# Altium PCB PCB_Incense.PcbDoc (part 3 of 3)
Units mil, origin at the board's own origin, x right, y up, seen from the top; angles counter-clockwise.
Board outline 5905.51 x 4960.63 mil, 2 copper layers (Top Layer, Bottom Layer), stack 61.89 mil thick; 318 components, 225 nets, 1085 pads, 499 vias.
Unrouted connection lines stored in the file: 2.
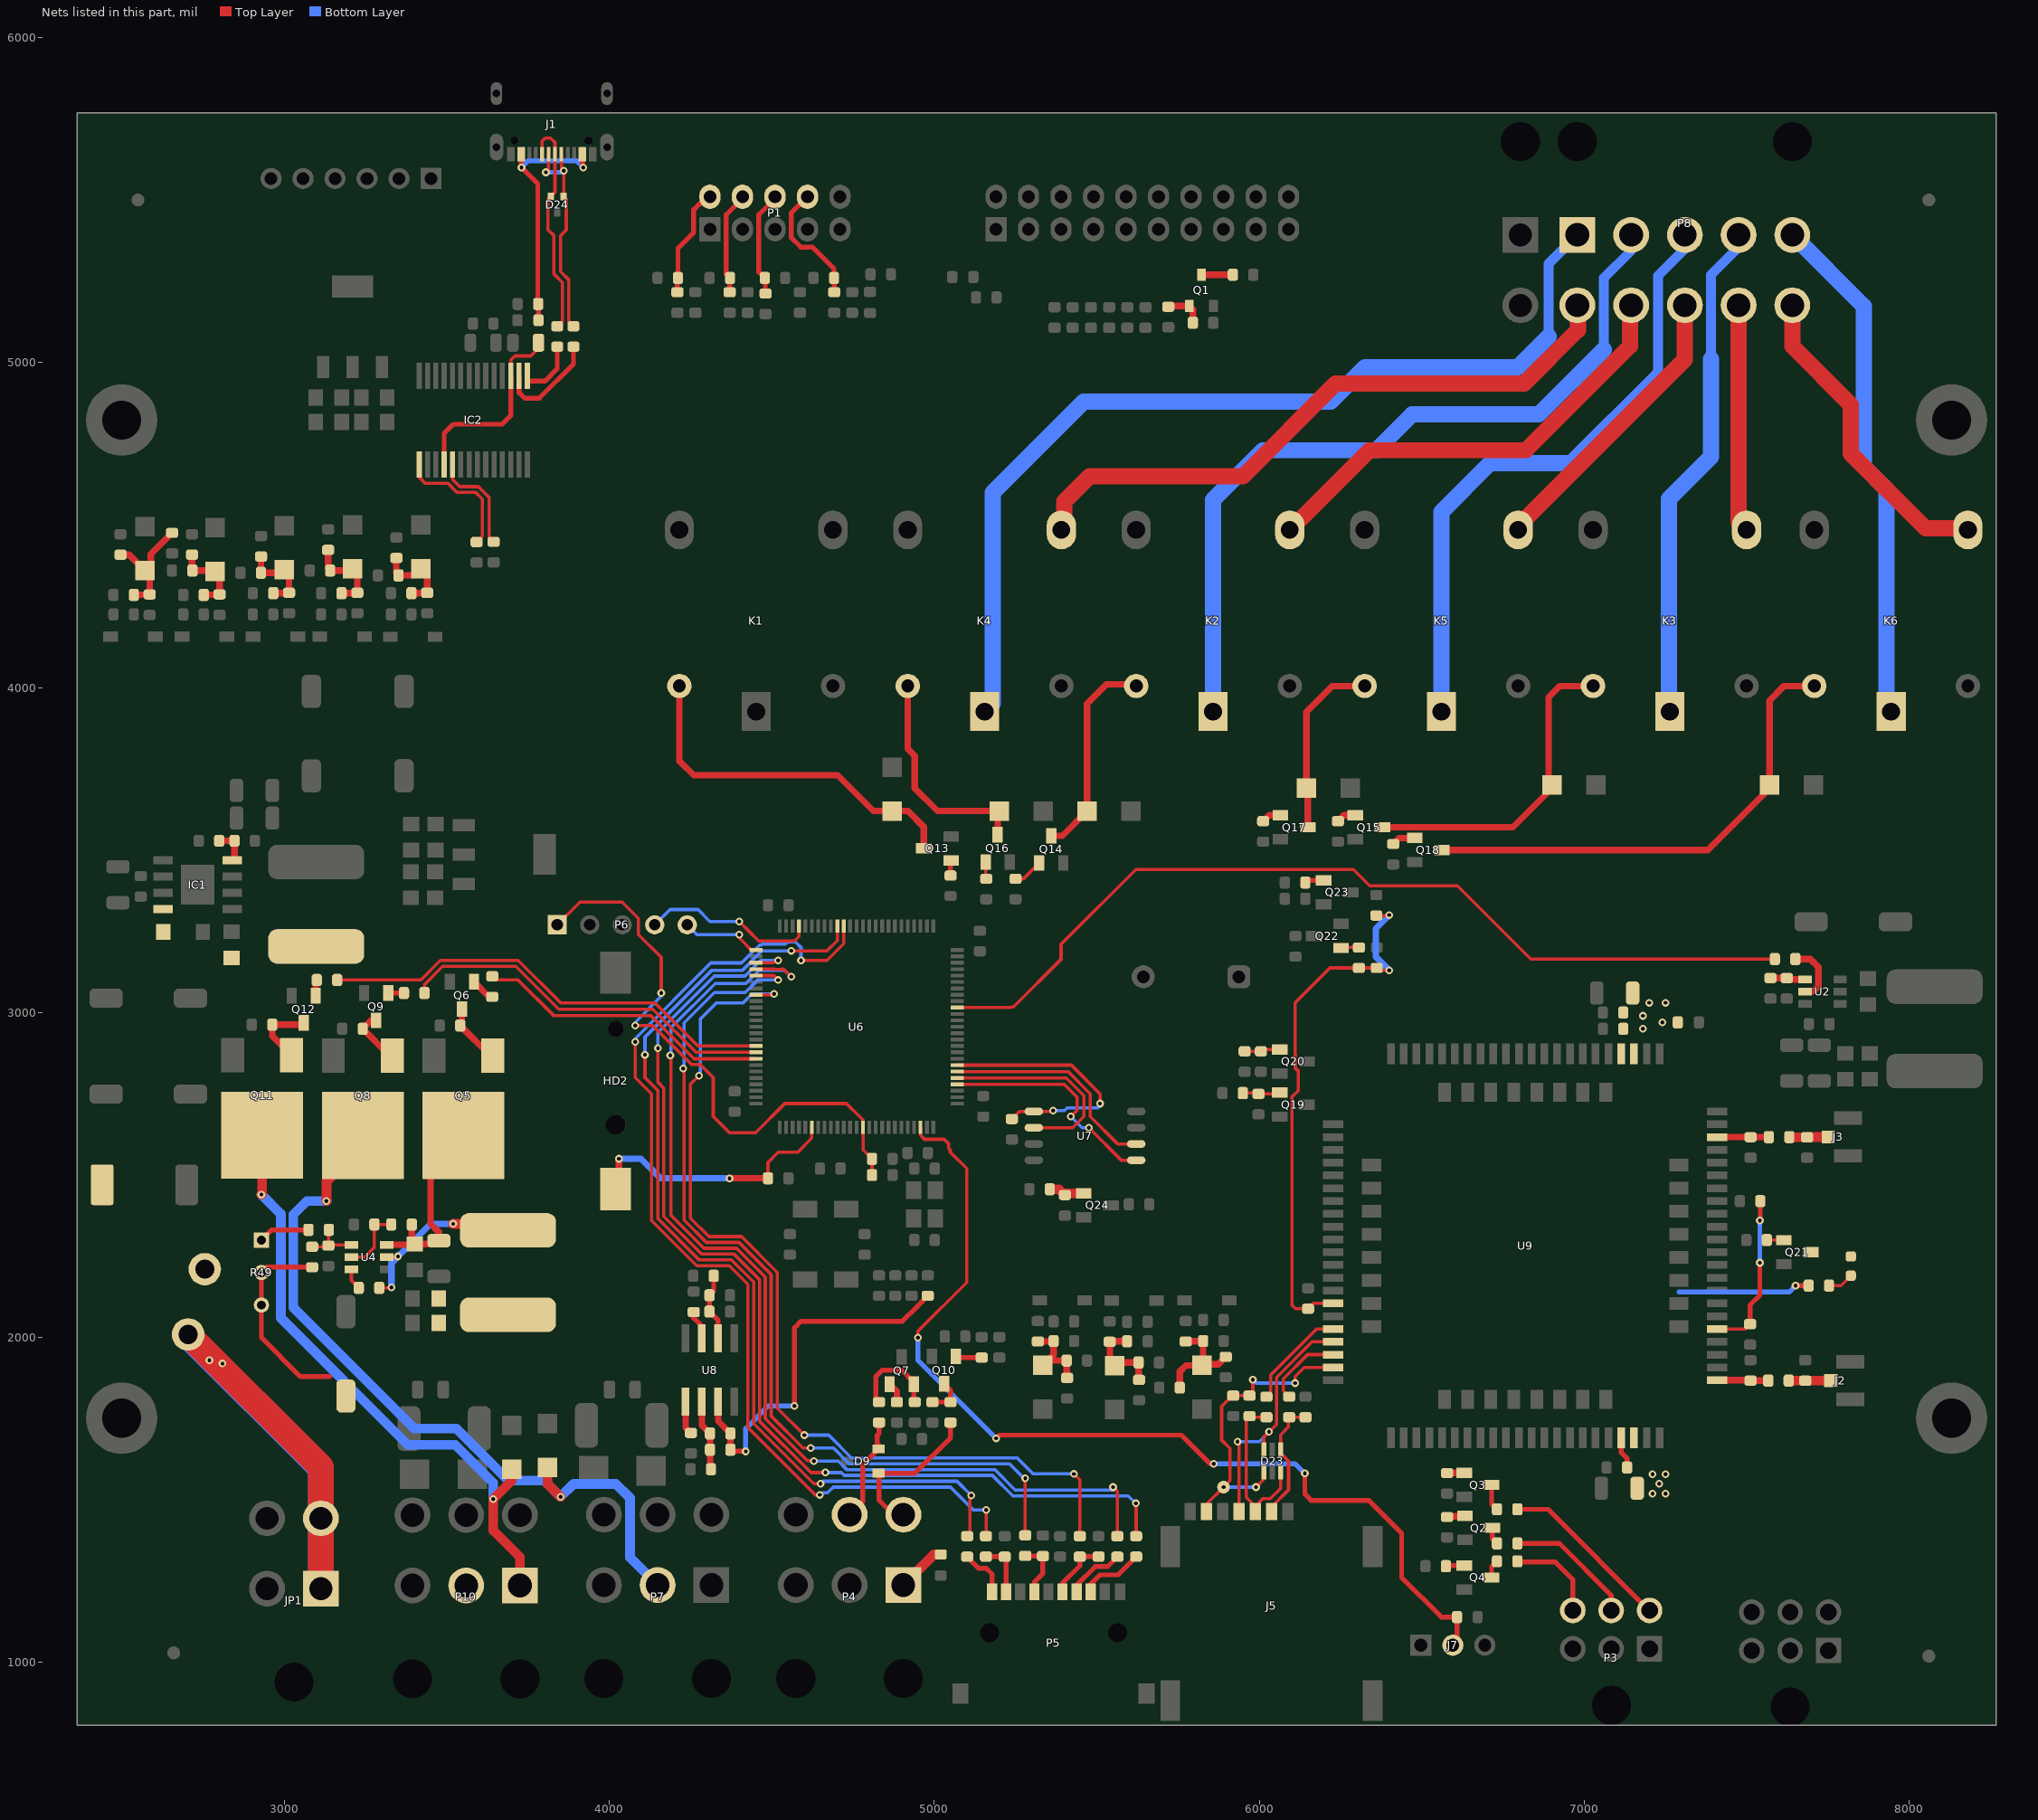
[diagram p3: the nets of this part, all layers, seen from the top]

## Via types
v1: diameter 24, hole 12, Top Layer to Bottom Layer, tented both sides, 495 vias
v2: diameter 24, hole 12, Top Layer to Bottom Layer, 4 vias

## Nets (pads, with @x,y where several pads share a name; then routed paths per layer and width w, separated by ;. In a path a pad name is that pad's centre, name@x,y a point inside that pad or via, vN(x,y) a via of type N, cw(c..) or ccw(c..) an arc to the next point about the centre after c; other vN are vias at no path point) (continued)
NetC34_2: C34.2 C76.2 Q5.2 R46.2 U4.3 | length 606
  Top Layer w20: U4.3@3315.12,2285.39 3398.39,2285.39 C34.2@3400.99,2287.99 ; R46.2@3392.48,2347.91 3392.48,2296.5 C34.2@3400.99,2287.99 ; Q5.2@3551.73,2621.65 3450,2519.92 3450,2350 3475.99,2324.01 C76.2@3475.99,2298.11 3465.87,2287.99 C34.2@3400.99,2287.99
NetC38_1: C38.1 U4.6 | length 67
  Top Layer w10: U4.6@3206.85,2210.59 3206.85,2175.62 C38.1@3229.49,2152.99
NetC38_2: C38.2 L4.1 U4.2 | length 565.4
  Top Layer w10: C38.2@3292.48,2152.99 3328.34,2152.99 v1(3329.92,2154.57) ; U4.2@3315.12,2247.99 3348.34,2247.99 v1(3349.92,2249.57)
  Top Layer w30: v1(3520,2350) 3668.5,2350 L4.1@3688.58,2329.92
  Bottom Layer w20: v1(3329.92,2154.57) 3329.92,2229.57 v1(3349.92,2249.57) 3450.35,2350 v1(3520,2350)
NetC52_1: C52.1 D23.4 J5.C3 R98.2 | length 383.9
  Top Layer w10: J5.C3@6037.64,1465.08 6037.64,1479.13 6090,1531.49 6090,1620 6065.59,1644.41 6065.59,1700.98 6088.84,1724.23 6088.84,1753.8 6090,1754.97 C52.1@6142.09,1754.97
NetC55_1: C55.1 J2.1 R99.2 | length 129.4
  Top Layer w30: R99.2@7628.78,1867.64 7679.92,1867.64 C55.1@7680.14,1867.42 7757.77,1867.42 J2.1@7757.99,1867.64
NetC58_1: C58.1 J3.1 R103.2 | length 120.5
  Top Layer w30: R103.2@7630.67,2616.78 7631.04,2616.41 C58.1@7685.07,2616.41 7685.73,2617.08 J3.1@7750.79,2617.08
NetC81_2: C81.2 R119.1 R120.1 U8.2 | length 208.9
  Top Layer w15: R120.1@4321.5,2190 4321.5,2143 R119.1@4308.5,2130 C81.2@4308.51,2080 4335,2053.51 U8.2@4335,1997.44
NetC83_1: C83.1 R124.2 R125.2 U8.7 | length 1152.4
  Top Layer w15: C83.1@4372.99,1655 4377.99,1650 v1(4420,1650) ; v1(4570,1790) 4570,2030 4590,2050 4901.49,2050 4949.75,2098.25 4950.09,2098.25 4963.2,2111.36 4963.2,2111.71 R125.2@4980,2128.51
  Top Layer w20: U8.7@4335,1802.56 4335,1742.99 R124.2@4372.99,1705 C83.1@4372.99,1655
  Bottom Layer w15: v1(4420,1650) 4420,1720 4490,1790 v1(4570,1790)
NetC83_2: C83.2 R123.1 R124.1 U8.6 | length 219.2
  Top Layer w20: U8.6@4285,1802.56 4285,1730 R124.1@4310,1705 C83.2@4310,1655 4310,1597.99 R123.1@4312.99,1595
NetD1_1: D1.1 F1.2
NetD3_1: D3.1 R6.2 R8.2 R10.1 R11.2 | length 335.2
  Top Layer w20: R6.2@5755.21,1846.09 5755.21,1895.21 5774.37,1914.37 D3.1@5823.74,1914.37 D3.1@5827.24,1917.87 ; R8.2@5773.74,1987.88 5774.49,1988.62 5826.5,1988.62 R10.1@5827.24,1989.37 D3.1@5827.24,1917.87 ; R11.2@5896.82,1940.81 5873.89,1917.87 D3.1@5827.24,1917.87
NetD6_1: D6.1 R18.2 R20.2 R22.1 R23.2 | length 265.6
  Top Layer w20: R22.1@5593.5,1988.51 5541.49,1988.51 R20.2@5540,1987.01 5540,1928.51 D6.1@5555,1913.51 5565,1923.51 R18.2@5628.51,1923.51 5628.51,1871.49 R23.2@5630,1870
NetD7_1: D7.1 R27.2 R28.2 R30.1 R31.2 | length 250.6
  Top Layer w20: R28.2@5318.74,1987.88 5365.75,1987.88 R30.1@5367.24,1989.37 5367.24,1947.87 D7.1@5348.74,1929.37 ; D7.1@5333.74,1914.37 D7.1@5348.74,1929.37 ; R31.2@5408.74,1875.86 5407.25,1877.36 R27.2@5407.25,1929.37 D7.1@5348.74,1929.37
NetD11_1: D11.1 R64.2 R66.2 R68.1 R70.2 | length 263.9
  Top Layer w20: R70.2@3345,4398.51 3345,4351.49 R64.2@3351.49,4345 3400,4345 D11.1@3420,4365 3440,4345 R66.2@3440,4291.49 3438.51,4290 R68.1@3391.5,4290
NetD12_1: D12.1 R65.2 R67.2 R69.1 R71.2 | length 245.5
  Top Layer w20: R71.2@2716.1,4408.51 2716.1,4361.49 R65.2@2717.6,4360 2784.39,4360 D12.1@2787.2,4357.2 2801.1,4343.29 R67.2@2801.1,4286.49 2799.61,4285 R69.1@2752.6,4285
NetD13_1: D13.1 K1.5 Q13.3 | length 1132.9
  Top Layer w20: K1.5@4215.79,4004.68 4215.79,3774.21 4260,3730 4702.53,3730 4812.53,3620 D13.1@4870,3620 4918.99,3620 4967.99,3571.01 Q13.3@4967.99,3505
NetD14_1: D14.1 K2.5 Q14.3 | length 649.8
  Top Layer w20: Q14.3@5360,3544.02 5394.02,3544.02 D14.1@5470,3620 5470,3950 5530,4010 5615.98,4010 K2.5@5621.3,4004.68
NetD15_1: D15.1 K3.5 Q15.3 | length 1006
  Top Layer w20: Q15.3@6379.02,3570 6780,3570 6900,3690 D15.1@6900,3700 6890,3710 6890,3970 6924.69,4004.68 K3.5@7026.81,4004.68
NetD16_1: D16.1 R72.2 R74.2 R79.1 R81.2 | length 261.5
  Top Layer w20: R81.2@3135,4423.51 3135,4366.49 R72.2@3141.49,4360 3215,4360 3225,4350 R74.2@3225,4291.49 3223.51,4290 R79.1@3176.5,4290
NetD17_1: D17.1 R73.2 R75.2 R80.1 R82.2 | length 374.5
  Top Layer w20: R82.2@2496.1,4408.51 2522.6,4408.51 D17.1@2571.1,4360 ; R80.1@2537.6,4285 2584.61,4285 R75.2@2586.1,4286.49 2586.1,4345 D17.1@2571.1,4360 ; R73.2@2654.88,4475.9 2589.49,4410.51 2589.49,4378.39 D17.1@2571.1,4360
NetD18_1: D18.1 R83.2 R84.2 R85.1 R86.2 | length 251.8
  Top Layer w20: R86.2@2928.79,4402.91 2928.79,4353.53 R83.2@2928.3,4353.04 2990.33,4353.04 D18.1@2999.72,4362.43 3015,4347.16 R84.2@3015,4291.49 3013.51,4290 R85.1@2966.5,4290
NetD19_1: D19.1 K4.5 Q16.3 | length 687.6
  Top Layer w20: K4.5@4918.54,4004.68 4918.54,3811.46 4940,3790 4940,3690 5010,3620 D19.1@5200,3620 5195,3615 Q16.3@5195,3547.01
NetD20_1: D20.1 K5.5 Q17.3 | length 568.7
  Top Layer w20: Q17.3@6149.02,3570 6149.02,3685.98 D20.1@6145,3690 6145,3925 6224.69,4004.68 K5.5@6324.06,4004.68
NetD21_1: D21.1 K6.5 Q18.3 | length 1512.8
  Top Layer w20: Q18.3@6562.01,3500 7380,3500 7570,3690 D21.1@7570,3700 7570,3960 7614.69,4004.68 K6.5@7707.56,4004.68
NetD22_1: D22.1 R95.1 | length 79.6
  Top Layer w10: R95.1@7752.99,2160 7789.53,2160 D22.1@7820,2190.47
NetD22_2: D22.2 Q21.3
NetD23_3: D23.3 J5.C7 R97.2 R100.2 | length 512.2
  Top Layer w10: J5.C7@5987.64,1465.08 J5.C7@5987.64,1480.83 ; R100.2@6022.08,1754.98 5973.53,1754.98 R97.2@5970,1758.51 5960,1748.51 5960,1508.47 J5.C7@5987.64,1480.83 ; D23.3@6065.59,1584.57 6065.59,1535.59 6034.03,1504.03 6010.83,1504.03 J5.C7@5987.64,1480.83
NetF1_1: F1.1 JP1.1 JP1.3 | length 1902.8
  Top Layer w80: F1.1@2704.41,2009.61 3112.68,1601.34 JP1.3@3112.68,1443.94 JP1.1@3112.68,1227.4
  Bottom Layer w80: F1.1@2704.41,2009.61 2704.19,2009.39 2704.19,2005.81 3112.68,1597.32 JP1.3@3112.68,1443.94 JP1.1@3112.68,1227.4
  other v1: 2810,1920 2770,1930
NetIC1_4: IC1.4 R1.1 R2.1 | length 109.8
  Top Layer w20: R2.1@2800.12,3528.31 R1.1@2847.12,3528.31 2847.12,3475.04 IC1.4@2840.39,3468.31
NetIC2_1: IC2.1 R17.2 | length 401.9
  Top Layer w10: IC2.1@3415.35,4686.69 3415.35,4646.92 3433.36,4628.91 3503.02,4628.91 3531.93,4600 3589.63,4600 3610,4579.63 3610,4465.43 R17.2@3592.05,4447.48
NetIC2_5: IC2.5 R24.2 | length 324.6
  Top Layer w10: IC2.5@3517.72,4686.69 3517.72,4640.13 3539.85,4618 3597.09,4618 3630,4585.09 3630,4462.36 R24.2@3644.32,4448.04
NetJ7_2: J7.2 R15.1 U6.23 | length 3076
  Top Layer w10: v1(4950,2000) 4950,2020 5100,2170 5100,2520 5049.24,2570.76 5049.24,2576.48 5044.22,2581.5 5044,2581.28 5044,2596 5030,2610 4970,2610 4957.68,2622.32 U6.23@4957.68,2646.61
  Top Layer w15: v1(5190,1690) 5200,1700 5760,1700 5848,1612 v1(5860,1612) ; v1(6140,1582) 6140,1518.5 6159.25,1499.25 6336.7,1499.25 6437.98,1397.98 6437.98,1262.02 6560,1140 R15.1@6608.5,1140 6608.5,1066.67 J7.2@6595.42,1053.58
  Bottom Layer w15: v1(4950,2000) 4950,1930 v1(5190,1690) ; v1(5860,1612) 6110,1612 v1(6140,1582)
NetL5_2: L5.2 P4.1 | length 154.1
  Top Layer w30: P4.1@4904.8,1238.5 4998.78,1332.48 L5.2@5020,1332.48
NetP3_4: P3.4 R39.1 | length 535.3
  Top Layer w15: R39.1@6794.25,1471.65 6888.35,1471.65 7199.44,1160.56 P3.4@7200.73,1160.56
NetP3_5: P3.5 R40.1 | length 401.2
  Top Layer w15: R40.1@6794.25,1366.65 6923.35,1366.65 7082.62,1207.38 P3.5@7082.62,1160.56
NetP3_6: P3.6 R41.1 | length 288.5
  Top Layer w15: R41.1@6794.25,1311.65 6795.91,1310 6910,1310 6964.51,1255.49 P3.6@6964.51,1160.56
NetQ1_1: Q1.1 R25.1 R26.1 | length 122
  Top Layer w20: R25.1@5720,5171.5 5722.48,5173.98 Q1.1@5784.65,5173.98 5795.55,5163.07 R26.1@5795.55,5122.2
NetQ1_3: Q1.3 R19.2 | length 96.6
  Top Layer w20: Q1.3@5822.05,5270.43 5822.48,5270 R19.2@5918.51,5270
NetQ2_1: Q2.1 R42.1 | length 57.5
  Top Layer w15: R42.1@6574.25,1451.65 R42.1@6577.75,1451.65
  Top Layer w20: R42.1@6577.75,1448.15 6579.5,1449.9 Q2.1@6631,1449.9
NetQ2_3: Q2.3 R40.2 | length 54
  Top Layer w15: Q2.3@6716.75,1414.65 6716.75,1381.16 R40.2@6731.26,1366.65
NetQ3_1: Q3.1 R43.1 | length 53.2
  Top Layer w20: R43.1@6577.75,1583.15 6578.26,1583.65 Q3.1@6630.76,1583.65
NetQ3_3: Q3.3 R39.2 | length 81.8
  Top Layer w15: Q3.3@6714.76,1546.65 6714.76,1488.15 R39.2@6731.26,1471.65
NetQ4_1: Q4.1 R44.1 | length 54.5
  Top Layer w15: R44.1@6576.25,1298.65 Q4.1@6630.76,1298.65
NetQ4_3: Q4.3 R41.2 | length 56.8
  Top Layer w15: Q4.3@6714.76,1261.65 6714.76,1295.16 R41.2@6731.26,1311.65
NetQ5_1: Q5.1 Q6.3 R45.2 | length 191.9
  Top Layer w20: Q6.3@3546.73,3010.71 3546.73,2965.24 R45.2@3541.49,2960 3633.78,2867.72 Q5.1@3642.28,2867.72
NetQ6_1: Q6.1 R50.1 | length 75.4
  Top Layer w20: Q6.1@3583.73,3094.71 3629.94,3048.5 R50.1@3640,3048.5
NetQ7_1: Q7.1 R52.2 | length 64.1
  Top Layer w20: Q7.1@4862.92,1856.65 4884.93,1834.65 R52.2@4884.93,1801.62
NetQ7_2: Q7.2 R54.2 R59.1 | length 286
  Top Layer w15: R59.1@4830,1801.5 4820,1811.5 4820,1880 4840,1900 4900.01,1900 4936.92,1863.09 Q7.2@4936.92,1856.65 4936.92,1804.57 R54.2@4940,1801.49
NetQ8_1: Q8.1 Q9.3 R57.2 | length 177.1
  Top Layer w20: Q9.3@3283,2976 3267.49,2976 R57.2@3241.49,2950 3323.78,2867.72 Q8.1@3332.28,2867.72
NetQ9_1: Q9.1 R61.1 | length 48.5
  Top Layer w15: Q9.1@3320,3060 R61.1@3368.5,3060
NetQ10_1: Q10.1 R56.2 | length 80.7
  Top Layer w15: Q10.1@5067,1941.99 5070.53,1938.45 R56.2@5146.22,1938.45
NetQ10_3: Q10.3 R58.2 R60.1 | length 120.3
  Top Layer w15: R58.2@4994.54,1801.62 5049.88,1801.62 R60.1@5050,1801.5 5050,1837.99 Q10.3@5030,1857.99
NetQ11_1: Q11.1 Q12.3 R62.2 | length 217.4
  Top Layer w20: Q11.1@3022.28,2868.78 2963.23,2927.84 R62.2@2963.23,2962.72 3054.73,2962.72 Q12.3@3060,2967.99
NetQ12_1: Q12.1 R63.1 | length 49.3
  Top Layer w20: Q12.1@3097,3051.99 3097,3097 R63.1@3100,3100
NetQ13_1: Q13.1 R76.1 | length 47.3
  Top Layer w15: R76.1@5050,3421.5 5050,3466.01 Q13.1@5051.99,3468
NetQ14_1: Q14.1 R77.1 | length 93.1
  Top Layer w10: R77.1@5250,3411.5 5274.48,3411.5 Q14.1@5323,3460.02
NetQ15_1: Q15.1 R78.1 | length 60.6
  Top Layer w20: R78.1@6242.01,3588.74 6260.27,3607 Q15.1@6295.02,3607
NetQ16_1: Q16.1 R87.1 | length 52.3
  Top Layer w10: Q16.1@5158,3463.01 5158,3413.5 R87.1@5160,3411.5
NetQ17_1: Q17.1 R88.1 | length 60.6
  Top Layer w20: R88.1@6012.01,3588.74 6030.27,3607 Q17.1@6065.02,3607
NetQ18_1: Q18.1 R89.1 | length 73.6
  Top Layer w20: R89.1@6412.01,3518.74 6430.27,3537 Q18.1@6478.01,3537
NetQ19_1: Q19.1 R91.1 R92.1 | length 117.8
  Top Layer w10: R91.1@5947.64,2749.77 R91.1@5949.56,2749.77 ; R91.1@5949.56,2752.19 5995.23,2752.19 R92.1@5997.64,2749.77 6058.73,2749.77 Q19.1@6062.76,2753.81
NetQ20_1: Q20.1 R93.1 R94.1 | length 110.3
  Top Layer w10: R93.1@5954.92,2880.87 R94.1@6004.92,2880.87 6010.42,2886.37 Q20.1@6062.93,2886.37
NetQ21_1: Q21.1 R96.1 | length 52
  Top Layer w10: R96.1@7561.5,2300 7613.2,2300 Q21.1@7613.4,2299.8
NetQ22_1: Q22.1 R101.2 | length 55.6
  Top Layer w10: Q22.1@6251.38,3198.74 6252.87,3200.23 R101.2@6306.38,3200.23
NetQ23_1: Q23.1 R104.2 | length 59.4
  Top Layer w15: R104.2@6141.49,3400 6148.49,3407 Q23.1@6198.01,3407
NetQ24_1: Q24.1 R116.1 R117.1 | length 114.2
  Top Layer w30: R116.1@5355.49,2456.42 5384.07,2456.42 R117.1@5401.99,2438.5 5407.49,2444 Q24.1@5460,2444
NetR3_1: R3.1 R4.1 U2.4 | length 107.6
  Top Layer w20: R3.1@7572.79,3106.1 R4.1@7622.79,3106.1 7626.89,3102.01 U2.4@7678.66,3102.01
NetR5_1: R5.1 U2.5 | length 188.6
  Top Layer w20: R5.1@7649.29,3164.61 7695.39,3164.61 7720,3140 7720,3080 7704.61,3064.61 U2.5@7678.66,3064.61
NetR5_2: R5.2 U6.41 | length 2833
  Top Layer w10: U6.41@5070.47,3015.32 5234.32,3015.32 5236.01,3017 5243.33,3017 5390,3163.67 5390,3210 5620,3440 6290,3440 6340,3390 6610,3390 6835.39,3164.61 R5.2@7586.3,3164.61
NetR46_1: R46.1 R51.1 U4.5 | length 205.3
  Top Layer w10: U4.5@3206.85,2247.99 3247.99,2247.99 3277.48,2277.48 R51.1@3277.48,2347.91 R46.1@3329.49,2347.91
NetR47_1: R47.1 R48.1 R53.1 U4.4 | length 172.5
  Top Layer w10: R47.1@3085.99,2279.41 3132.48,2279.41 R53.1@3135.99,2282.91 ; R48.1@3137.48,2331.41 3135.99,2329.91 R53.1@3135.99,2282.91 ; U4.4@3206.85,2285.39 3138.47,2285.39 R53.1@3135.99,2282.91
NetR48_2: R48.2 R49.1 | length 157.5
  Top Layer w15: R49.1@2930,2300 2961.41,2331.41 R48.2@3074.49,2331.41
NetR50_2: R50.2 U6.93 | length 916.3
  Top Layer w10: R50.2@3640,3111.49 3651.49,3100 3720,3100 3830,2990 4129.09,2990 4261.3,2857.79 4451.14,2857.79 U6.93@4451.18,2857.83
NetR61_2: R61.2 U6.92 | length 1178.5
  Top Layer w10: R61.2@3431.49,3060 3431.49,3086.04 3487.46,3142 3712.54,3142 3844.54,3010 4134.54,3010 4267.02,2877.52 U6.92@4451.18,2877.52
NetR63_2: R63.2 U6.91 | length 1421.9
  Top Layer w10: R63.2@3162.99,3100 3420,3100 3480,3160 3720,3160 3850,3030 4140,3030 4272.8,2897.2 U6.91@4451.18,2897.2
NetR122_1: R122.1 U8.3 | length 91.4
  Top Layer w15: R122.1@4260,2078.5 4260,2060 4285,2035 U8.3@4285,1997.44
NetR126_1: R126.1 U8.5 | length 102.9
  Top Layer w20: U8.5@4235,1802.56 4235,1722.99 R126.1@4251.49,1706.5
RELAY1_1: K4.3 P8.6 | length 1966.1
  Top Layer w50: K4.3@5390.98,4485 5400,4494.02 5400,4572.01 5477.99,4650 5950,4650 6235,4935 6815,4935 6980,5100 6980,5174.65 P8.6@6978.58,5176.06
RELAY1_2: K4.1 P8.1 | length 2942.6
  Bottom Layer w30: 6890,5080 6890,5304.02 P8.1@6978.58,5392.6
  Bottom Layer w50: K4.1@5154.76,3925.94 5180,3951.18 5180,4600 5460,4880 6220,4880 6325,4985 6795,4985 6890,5080
RELAY2_1: K2.3 P8.7 | length 1408
  Top Layer w50: K2.3@6093.74,4485 6338.74,4730 6820,4730 7140,5050 7140,5172.13 P8.7@7143.94,5176.06
RELAY2_2: K2.1 P8.2 | length 2433
  Bottom Layer w30: 7060,5040 7060,5260 7143.94,5343.94 P8.2@7143.94,5392.6
  Bottom Layer w50: K2.1@5857.52,3925.94 5857.52,4577.52 6010,4730 6360,4730 6470,4840 6860,4840 7060,5040
RELAY3_1: K5.3 P8.8 | length 903.5
  Top Layer w50: K5.3@6796.5,4485 6796.5,4496.5 7309.29,5009.29 P8.8@7309.29,5176.06
RELAY3_2: K5.1 P8.3 | length 1923.6
  Bottom Layer w30: 7226.9,4956.9 7226.9,5266.9 7309.29,5349.29 P8.3@7309.29,5392.6
  Bottom Layer w50: K5.1@6560.28,3925.94 6560.28,4539.72 6560,4540 6710,4690 6960,4690 7226.9,4956.9
RELAY4_1: K3.3 P8.9 | length 701.3
  Top Layer w50: P8.9@7474.65,5176.06 7474.65,4509.61 K3.3@7499.25,4485
RELAY4_2: K3.1 P8.4 | length 1556.8
  Bottom Layer w30: 7390,5010 7390,5270 7474.65,5354.65 P8.4@7474.65,5392.6
  Bottom Layer w50: K3.1@7263.03,3925.94 7260,3928.98 7260,4580 7390,4710 7390,5010
RELAY5_1: K6.3 P8.10 | length 988
  Top Layer w50: P8.10@7640,5176.06 7640,5050 7820,4870 7820,4720 8050,4490 8175,4490 K6.3@8180,4485
RELAY5_2: K6.1 P8.5 | length 1592.5
  Bottom Layer w50: P8.5@7640,5392.6 7860,5172.6 7860,4680 7930,4610 7930,3939.72 K6.1@7943.78,3925.94
RF_4G: C57.1 R99.1 U9.82 | length 157.7
  Top Layer w20: U9.82@7408.66,1868.86 7509.79,1868.86 C57.1@7511.08,1867.56 7565.72,1867.56 R99.1@7565.79,1867.64
RF_AUX_4G: C59.1 R103.1 U9.59 | length 159.1
  Top Layer w20: U9.59@7408.66,2616.89 7504.61,2616.89 7504.72,2616.78 R103.1@7567.68,2616.78
ROW1: C31.2 P1.2 R35.2 | length 341.2
  Top Layer w15: R35.2@4209.71,5216.22 4209.71,5258.21 C31.2@4211.49,5260 4211.49,5351.49 4260,5400 4260,5470 4278.61,5488.61 4280.08,5488.61 4301.47,5510 P1.2@4310,5510
ROW2: C30.2 P1.4 R36.2 | length 320.2
  Top Layer w15: R36.2@4370.5,5216.22 C30.2@4370.5,5260.99 ; C30.2@4371.49,5260 C30.2@4370.5,5260.99 ; P1.4@4410,5510 4410,5505 4360,5455 4360,5271.49 C30.2@4370.5,5260.99
ROW3: C29.2 P1.6 R37.2 | length 327.3
  Top Layer w15: R37.2@4480.84,5212.05 4480,5212.9 4480,5258.51 C29.2@4478.51,5260 4460,5278.51 4460,5455 4510,5505 P1.6@4510,5510
ROW4: C28.2 P1.8 R38.2 | length 390.1
  Top Layer w15: P1.8@4610,5510 4560,5460 4560,5384.29 4589.29,5355 4625,5355 4691.49,5288.51 C28.2@4691.49,5260 4692.1,5259.4 R38.2@4692.1,5216.22
RST#: C70.2 P6.1 R110.2 U6.14 | length 1838.8
  Top Layer w10: P6.1@3840,3270 3910,3340 4040,3340 4090,3290 4090,3240 4160,3170 v1(4160,3060) ; v1(4080,2960) 4133.63,2960 4253.84,2839.79 4280.21,2839.79 4320,2800 4320,2680 4370,2630 4450,2630 4540,2720 4730,2720 4771.39,2678.61 4771.7,2678.61 4778.73,2671.58 4778.73,2671.27 4780.51,2669.49 U6.14@4780.51,2646.61 4781.42,2645.71 4781.42,2577.09 C70.2@4808.51,2550 R110.2@4808.51,2500
  Bottom Layer w10: v1(4080,2960) 4080,2970 4160,3050 v1(4160,3060)
SD_CARD_CLK: C72.1 P5.5 R111.2 | length 175.9
  Top Layer w15: R111.2@5280,1328.51 5280.61,1327.89 C72.1@5334.28,1327.89 5334.28,1274.28 5307.87,1247.87 P5.5@5307.87,1217.44
SD_CARD_CMD: P5.3 R107.2 R109.2 | length 188.4
  Top Layer w15: P5.3@5394.49,1217.44 5394.49,1244.49 5447.85,1297.85 R109.2@5447.85,1325.94 R107.2@5505.62,1325.94
SD_CARD_D0: P5.7 R108.2 R112.2 | length 168.2
  Top Layer w15: R112.2@5158.96,1325.94 R108.2@5216.74,1325.94 5221.26,1321.42 P5.7@5221.26,1217.44
SD_CARD_D1: P5.8 R113.2 | length 153.7
  Top Layer w15: R113.2@5101.18,1325.94 5137.12,1290 5160,1290 5177.95,1272.05 P5.8@5177.95,1217.44
SD_CARD_D2: P5.1 R114.2 | length 198.9
  Top Layer w15: P5.1@5481.1,1217.44 5481.1,1241.1 5510,1270 5565.24,1270 R114.2@5621.18,1325.94
SD_CARD_D3: P5.2 R115.2 | length 182.5
  Top Layer w15: P5.2@5437.8,1217.44 5437.8,1237.8 5495.69,1295.69 5533.15,1295.69 R115.2@5563.4,1325.94
SD_CLK: R111.1 U6.80 | length 2837.2
  Top Layer w10: v1(4227.72,2827.72) 4230,2825.45 4230,2361.82 4299.12,2292.7 4399.12,2292.7 4498.16,2193.66 4498.16,1758.21 4596.37,1660 v1(4620,1660) ; U6.80@4451.18,3113.74 4506.26,3113.74 v1(4520,3100) ; R111.1@5280,1391.5 v1(5280,1567)
  Bottom Layer w10: v1(4227.72,2827.72) 4230,2830 4230,2968.18 4323.64,3061.82 4418.18,3061.82 4456.37,3100 v1(4520,3100) ; v1(4620,1660) 4690,1660 4738,1612 5231.21,1612 5276.21,1567 v1(5280,1567)
SD_CMD: R109.1 U6.83 | length 2890.9
  Top Layer w10: v1(4275.91,2805.91) 4250,2780 4250,2367.28 4306.58,2310.7 4406.58,2310.7 4517.19,2200.09 4517.19,1782.81 v1(4600,1700) ; U6.83@4451.18,3054.69 4505.14,3054.69 v1(4507.42,3056.97) ; v1(5430,1580.5) 5447.85,1562.65 R109.1@5447.85,1388.93
  Bottom Layer w10: v1(4275.91,2805.91) 4280,2810 4280,2980 4329.09,3029.09 4410.91,3029.09 4438.79,3056.97 v1(4507.42,3056.97) ; v1(4600,1700) 4675.46,1700 4745.46,1630 5255.18,1630 5304.68,1580.5 v1(5430,1580.5)
SD_DO0: R112.1 U6.65 | length 3225.7
  Top Layer w10: v1(4080,2910) 4080,2800 4130,2750 4130,2360 4269.3,2220.7 4369.3,2220.7 4426.16,2163.84 4426.16,1723.84 4633.93,1516.07 v1(4647.74,1516.08) ; v1(4590,3160) 4670,3160 4721.46,3211.46 U6.65@4721.46,3265.91 ; R112.1@5158.96,1388.93 5160,1389.98 v1(5160,1470)
  Bottom Layer w10: v1(4080,2910) 4080,2920 4312.73,3152.73 4407.27,3152.73 4462.54,3208 4468,3208 4470,3210 4541.82,3210 4548.82,3217 4573,3217 4590,3200 v1(4590,3160) ; v1(4647.74,1516.08) 4654.32,1522.66 4671.75,1522.66 4689.09,1540 5050,1540 5120,1470 v1(5160,1470)
SD_DO1: R113.1 U6.66 | length 3043.6
  Top Layer w10: v1(4110,2870) 4110,2800 4150,2760 4150,2365.46 4276.75,2238.7 4376.75,2238.7 4444.16,2171.3 4444.16,1735.84 4630,1550 v1(4650,1550) ; v1(4560,3190) 4670,3190 4701.77,3221.77 U6.66@4701.77,3265.91 ; R113.1@5101.18,1388.93 5110,1397.75 5110,1510 v1(5114.09,1514.09)
  Bottom Layer w10: v1(4110,2870) 4110,2924.54 4315.73,3130.27 4410.27,3130.27 4470,3190 v1(4560,3190) ; v1(4650,1550) 4658,1558 5070.18,1558 v1(5114.09,1514.09)
SD_DO2: R114.1 U6.78 | length 3282.2
  Top Layer w10: v1(4150,2890) 4150,2785.46 4168,2767.46 4168,2372.91 4284.21,2256.7 4384.21,2256.7 4462.16,2178.75 4462.16,1743.3 4620.96,1584.5 4665.03,1584.5 v1(4665.03,1585) ; U6.78@4451.18,3153.11 4505.86,3153.11 4512.75,3160 v1(4520,3160) ; v1(5620,1490) 5621.18,1488.82 R114.1@5621.18,1388.93
  Bottom Layer w10: v1(4150,2890) 4150,2939.09 4323.18,3112.27 4417.73,3112.27 4465.46,3160 v1(4520,3160) ; v1(4665.03,1585) 4665.03,1584.5 4714.59,1584.5 4723.09,1576 5178.54,1576 5241.69,1512.85 5597.15,1512.85 v1(5620,1490)
SD_DO3: R115.1 U6.79 | length 3280.1
  Top Layer w10: v1(4187.72,2867.72) 4190,2865.45 4190,2376.37 4291.67,2274.7 4391.67,2274.7 4480.16,2186.21 4480.16,1750.75 4609.37,1621.54 4628.46,1621.54 v1(4630,1620) ; U6.79@4451.18,3133.43 4508.39,3133.43 4508.82,3133 4531.18,3133 4531.61,3133.43 4536.57,3133.43 v1(4560,3110) ; v1(5550,1539.85) 5563.4,1526.45 R115.1@5563.4,1388.93
  Bottom Layer w10: v1(4187.72,2867.72) 4190,2870 4190,2953.63 4325.91,3089.54 4420.46,3089.54 4460.91,3130 4540,3130 v1(4560,3110) ; v1(4630,1620) 4704.54,1620 4730.54,1594 5186,1594 5249.15,1530.85 5550,1530.85 5550,1537 v1(5550,1539.85)
SIM_CLK: R98.1 U9.19 | length 247
  Top Layer w10: R98.1@6092.08,1817.97 6074.03,1836.02 6074.03,1873.12 6148.51,1947.6 U9.19@6227.56,1947.6
SIM_DATA: R100.1 U9.17 | length 323.5
  Top Layer w10: R100.1@6022.08,1817.97 6034.57,1830.46 6034.57,1884.57 6176.34,2026.34 U9.17@6227.56,2026.34
SIM_RST: D23.6 J5.C2 U9.18 | length 785.9
  Top Layer w10: v1(5933,1680) 5935.36,1677.64 5937.64,1677.64 J5.C2@5937.64,1465.08 ; D23.6@6014.41,1655.43 6014.17,1655.67 6014.17,1694.29 6052.73,1732.85 6052.73,1738.81 6052.79,1738.87 6052.79,1771.08 6052.73,1771.14 6052.73,1801.81 6052.79,1801.86 6052.79,1834.08 6052.73,1834.13 6052.73,1877.27 6162.42,1986.97 U9.18@6227.56,1986.97
  Bottom Layer w10: v1(5933,1680) 5940,1680 6000,1680 v1(6030,1710)
SIM_VDD: C54.1 D23.1 J5.C1 R97.1 TP1.1 U9.20 | length 954.3
  Top Layer w10: J5.C1@5837.64,1465.08 5837.64,1487.64 v1(5890,1540) 5910,1560 5910,1658.73 5884.15,1684.59 5884.15,1788.39 5917.26,1821.5 C54.1@5920,1821.5 R97.1@5970,1821.5 5980,1831.5 v1(5980,1870) ; v1(5990,1540) 6014.41,1564.41 D23.1@6014.41,1584.57 ; v1(6110,1860) 6110,1880 6138.23,1908.23 U9.20@6227.56,1908.23
  Bottom Layer w10: v1(5890,1540) v1(5990,1540) ; v1(5980,1870) 5990,1860 v1(6110,1860)
Solenoid_out: D10.2 P10.1 Q11.2 | length 1916.2
  Top Layer w30: v1(2930,2440) 2931.73,2441.73 Q11.2@2931.73,2622.72 ; D10.2@3700,1595 3700,1560 v1(3643.3,1503.3) 3643.3,1406.7 3725.35,1324.65 P10.1@3725.35,1237.4
  Bottom Layer w30: v1(2930,2440) 2990,2380 2990,2060 3380,1670 3526.26,1670 3642.9,1553.36 v1@3642.9,1503.3
SPI1_CK: U6.31 U7.6 | length 684
  Top Layer w10: U6.31@5070.47,2818.46 5411.54,2818.46 5480,2750 5480,2680 5564.17,2595.83 U7.6@5621.22,2595.83
SPI1_CS: R106.2 U6.32 U7.1 | length 800.6
  Top Layer w10: U6.32@5070.47,2838.15 5421.85,2838.15 5510,2750 v1(5510,2720) ; R106.2@5238.74,2672.32 5262.25,2695.83 U7.1@5306.26,2695.83 5355.83,2695.83 5358.54,2698.54 v1(5365.55,2698.54)
  Bottom Layer w10: v1(5365.55,2698.54) 5400.36,2698.54 5408.82,2707 5431.18,2707 5503,2707 5510,2714 v1(5510,2720)
SPI1_DI: U6.29 U7.5 | length 710.3
  Top Layer w10: U6.29@5070.47,2779.09 5399.99,2779.09 5440,2739.09 5440,2700 v1(5420,2680) ; v1(5475.27,2645.5) 5574.94,2545.83 U7.5@5621.22,2545.83
  Bottom Layer w10: v1(5420,2680) 5454.5,2645.5 v1(5475.27,2645.5)
SPI1_DO: U6.30 U7.2 | length 644.4
  Top Layer w10: U6.30@5070.47,2798.78 5405.76,2798.78 5460,2744.54 5460,2680 5425.83,2645.83 U7.2@5306.26,2645.83
SW: C1.2 D2.2 IC1.8 L1.1
SW_CLK: P6.5 U6.76 | length 249.4
  Top Layer w10: v1(4400,3240) 4400,3229.57 4437.09,3192.48 U6.76@4451.18,3192.48
  Bottom Layer w10: P6.5@4240,3270 4270,3240 v1(4400,3240)
SW_DIO: P6.4 U6.72 | length 541.2
  Top Layer w10: v1(4400,3280) 4430,3250 4460,3220 4570,3220 4583.66,3233.66 U6.72@4583.66,3265.91
  Bottom Layer w10: P6.4@4140,3270 4187,3317 4273,3317 4310,3280 v1(4400,3280)
U3V3: C80.1 IC2.4 IC2.17 | length 610.5
  Top Layer w10: IC2.17@3696.85,4958.41 3696.85,5006.85 3710,5020 3758.44,5020 3782.34,5043.9 C80.1@3782.34,5060.78
  Top Layer w15: IC2.4@3492.13,4686.69 3492.13,4782.13 3520,4810 3670,4810 3696.85,4836.85 IC2.17@3696.85,4958.41
USB1_CON_D_N: D24.1 J1.A7 J1.B7 R21.1 | length 674.8
  Top Layer w10: v1(3805,5585) 3813.31,5593.31 J1.A7@3813.31,5640.29 ; J1.B7@3852.68,5640.29 3852.68,5596.69 3859.68,5589.69 D24.1@3859.68,5511.18 3859.68,5510.31 3867.86,5502.14 3867.86,5407.86 3850,5390 3850,5280 3875.93,5254.07 3875.93,5125.57 R21.1@3890,5111.5
  Bottom Layer w15: v1(3805,5585) 3855,5585 v1(3860,5590)
USB1_CON_D_P: D24.2 J1.A6 J1.B6 R118.1 | length 688.2
  Top Layer w10: J1.B6@3793.62,5640.29 3793.62,5680.99 3802.63,5690 3820,5690 3832.99,5677.01 J1.A6@3832.99,5640.29 3832.99,5523.86 D24.2@3820.31,5511.18 3811.95,5502.81 3811.95,5408.05 3830,5390 3830,5271.72 3855.93,5245.79 3855.93,5127.43 R118.1@3840,5111.5
USB1_D_N: IC2.16 R21.2 | length 322.5
  Top Layer w15: IC2.16@3722.44,4958.41 3722.82,4958.04 3722.82,4907.19 3740,4890 3784.63,4890 3890,4995.37 R21.2@3890,5048.51
USB1_D_P: IC2.15 R118.2 | length 191.1
  Top Layer w15: IC2.15@3748.03,4958.41 3748.03,4942.97 3748.41,4942.6 3801.87,4942.6 3840,4980.73 R118.2@3840,5048.51
V_motor: C35.1 C36.2 C37.2 L4.2 P10.2 R47.2 R49.2 R49.3 | length 622.5
  Top Layer w15: R47.2@3085.99,2216.42 2946.42,2216.42 R49.2@2930,2200 R49.3@2930,2100 2930,2000 3050,1880 3140,1880
V_SWap_motor: D8.2 P7.2 Q8.2 | length 2374.4
  Top Layer w30: v1(3130,2420) 3130,2480 3241.73,2591.73 Q8.2@3241.73,2621.65 ; D8.2@3810,1600 3810,1550 v1(3850,1510)
  Bottom Layer w30: v1(3130,2420) 3070,2420 3028,2378 3028,2092 3400,1720 3530,1720 3690,1560 3800,1560 v1(3850,1510) 3890,1550 4020,1550 4063.7,1506.3 4063.7,1323.7 P7.2@4148.9,1238.5
VADI_RX: D9.1 P4.4 R60.2 | length 490.3
  Top Layer w15: P4.4@4904.8,1455.04 4874.96,1455.04 4830,1500 4830,1580.83 D9.1@4828.23,1582.6 4940.47,1582.6 5050,1692.12 R60.2@5050,1738.51
VADI_TX: D9.2 P4.5 R59.2 | length 325.3
  Top Layer w15: P4.5@4739.45,1455.04 4780,1495.59 4780,1609.17 D9.2@4828.23,1657.4 4830,1659.17 4830,1669.25 4824.82,1674.43 4824.82,1698.87 4830,1704.04 R59.2@4830,1738.51
VBAT: C61.2 HD2.1 U6.6 | length 847.3
  Top Layer w10: C61.2@4488.51,2490 4488.51,2538.51 4520,2570 4580,2570 4623.03,2613.03 U6.6@4623.03,2646.61
  Top Layer w20: HD2.1@4020,2456.83 4053.17,2490 4030,2513.17 v1(4030,2550) ; v1(4370,2490) C61.2@4488.51,2490
  Bottom Layer w20: v1(4030,2550) 4097.71,2550 4157.71,2490 v1(4370,2490)
VBAT_4G: C46.1 C47.1 C48.1 C49.1 C50.1 L6.2 R95.2 U9.38 U9.39 U9.62 U9.63 | length 505.7
  Top Layer w15: U9.38@7113.39,1691.69 7113.39,1646.61 7131.5,1628.5 C50.1@7131.5,1600 ; v1(7650,2160) R95.2@7690,2160
  Bottom Layer w15: 7291.83,2140 7630,2140 v1(7650,2160)
  other v1: 7210,1520 7250,1520 7230,1550 7210,1580 7250,1580 7180,2950 7240,2970 7180,2990 7200,3030 7250,3030
VBUS: C77.2 J1.A4_B9 J1.B4_A9 L7.1 | length 780.8
  Top Layer w15: J1.B4_A9@3728.66,5640.29 3728.66,5601.34 v1(3730,5600) 3780,5550 3780,5220 3780,5182.48 3782.48,5180 3782.48,5130.99 L7.1@3781.49,5130 ; J1.A4_B9@3917.64,5640.29 3917.64,5602.36 v1(3920,5600)
  Bottom Layer w15: v1(3730,5600) 3750,5620 3900,5620 v1(3920,5600)
VDD_1V8: C53.1 C56.1 R101.1 R105.1 U9.15 | length 1665.2
  Top Layer w10: U9.15@6227.56,2105.08 6166.58,2105.08 C53.1@6150,2088.5 6111.5,2088.5 6100,2100 6100,2740 6120,2760 6120,2821.62 6117.96,2821.62 6110.93,2828.65 6110.93,2869.07 6110,2870 6110,3030 6217.24,3137.24 R101.1@6306.38,3137.24 C56.1@6361.38,3137.24 6368.62,3130 v1(6400,3130) ; R105.1@6360,3298.5 6398.5,3298.5 v1(6400,3300)
  Bottom Layer w20: v1(6400,3130) 6358.52,3171.48 6358.52,3258.52 v1(6400,3300)
VDD_AUX_3V: C51.1 R90.1 U9.44 | length 499.2
  Top Layer w10: U9.44@7408.66,2026.34 7494.84,2026.34 C51.1@7510,2041.5
  Top Layer w15: C51.1@7510,2041.5 7510,2100 7540,2130 v1(7540,2230) ; v1(7540,2360) 7541.5,2361.5 R90.1@7541.5,2420
  Bottom Layer w15: v1(7540,2230) v1(7540,2360)
pads on no net: D23.5 HD1.3 HD1.9 HD1.10 HD1.11 HD1.12 HD1.13 HD1.14 HD1.15 HD1.16 HD1.18 HD2. IC1.2 IC1.3 IC1.5 IC2.2 IC2.3 IC2.6 IC2.8 IC2.9 IC2.10 IC2.11 IC2.12 IC2.13 IC2.14 IC2.19 IC2.22 IC2.23 IC2.24 IC2.27 IC2.28 J1. J1.A5 J1.A8 J1.B5 J1.B8 J5.C6 J5.CD JP1. K1.4 K2.4 K3.4 K4.4 K5.4 K6.4 P2.0 P2.2 P2.5 P2.6 P3.0 P4. P5. P5.SW P7. P7.1 P8. P9. P10. U6.1 U6.2 U6.3 U6.4 U6.5 U6.7 U6.17 U6.70 U6.71 U6.73 U6.77 U6.81 U6.82 U6.84 U6.85 U6.95 U6.96 U6.97 U6.98 U9.6 U9.7 U9.8 U9.9 U9.11 U9.12 U9.13 U9.16 U9.21 U9.22 U9.23 U9.24 U9.25 U9.26 U9.27 U9.28 U9.29 U9.30 U9.31 U9.32 U9.33 U9.34 U9.35 U9.36 U9.42 U9.45 U9.46 U9.47 U9.48 U9.49 U9.50 U9.52 U9.53 U9.55 U9.56 U9.66 U9.67 U9.69 U9.70 U9.72 U9.73 U9.74 U9.75 U9.76 U9.79 U9.83 U9.84 U9.85 U9.86 U9.87 U9.106 U9.107 U9.108 U9.109 U9.112 U9.113 U9.114 U9.115 U9.116 U9.117 U9.119

## Polygon pours and split planes (outlines as drawn)
DGND on Top Layer "DGND_L01_P042" (solid, pour order 42): 4570,3140 4940,3140 4960,3120 4960,2760 4520,2760 4520,3090
DGND on Top Layer "DGND_L01_P038" (solid, remove dead copper, pour order 38): 6780,1740 6890,1740 6950,1680 6950,1510 7020,1440 8270.87,1440 8260,2690 8240,2710 7520,2710 7260,2970 6430,2970 6190,2730 6190,1870 6320,1740
VBAT_4G on Top Layer "VBAT_4G_L01_P002" (solid, pour order 2): 7100,1749.21 7170,1749.21 7170,1620 7190,1600 7280,1600 7290,1590 7290,1500 7280,1490 7150,1490 7110,1530 7110,1640 7100,1650
DGND on Top Layer "DGND_L01_P041" (solid, pour order 41): 3590,1130 3060,1130 3030,1160 3030,1470 2980,1520 2890,1520 2830,1460 2830,1120 2920,1030 3580,1030 3610,1060 3610,1110
V_motor on Top Layer "V_MOTOR_L01_P039" (solid, pour order 39): 3830,2120 3520,2120 3490,2150 3460,2150 3450,2140 3450,2020 3430,2000 3200,2000 3120,1920 3120,1730 3220,1630 3220,1380 3290,1310 3430,1310 3470,1270 3470,1200 3510,1160 3600,1160 3640,1200 3640,1290 3550,1380 3370,1380 3310,1440 3310,1850 3380,1920 3780,1920 3830,1970
DGND on Top Layer "DGND_L01_P040" (solid, remove dead copper, pour order 40): 3420,2150 3440,2170 3510,2170 3510,2210 3490,2230 3350,2230 3340,2220 3260,2220 3260,2190 3330,2190 3350,2170 3350,2140 3330,2120 3220,2120 3160,2180 3160,2230 3150,2240 3120,2240 3120,2060 3160,2020 3420,2020
+24V_SYS on Top Layer "+24V_SYS_L01_P037" (solid, pour order 37): 8010,3200 7977.49,3200 7900,3122.51 7900,3090 7890,3080 7850,3080 7840,3090 7760,3090 7760,3120 7840,3120 7860,3140 7860,3440 7880,3460 8010,3460 8030,3440 8030,3220
DGND on Top Layer "DGND_L01_P033" (solid, pour order 33): 3675.5,4520 3720,4520 3750,4490 3750,4170 3700,4170 3680,4190 3680,4470 3675.5,4474.5
+24V_SYS on Top Layer "+24V_SYS_L01_P027" (solid, pour order 27): 3900,3480 3890,3490 3860,3490 3860,3410 3825,3375 3725,3375 3670,3320 3520,3320 3520,3210 3760,3210 3900,3350
DGND on Top Layer "DGND_L01_P030" (solid, pour order 30): 3140,5020 3010,5020 2990,5000 2990,4840 3060,4770 3120,4770 3120,4910 3140,4930
5V0 on Top Layer "5V0_L01_P029" (solid, pour order 29): 3270,5420 3730,5420 3730,5310 3700,5280 3380,5280 3340,5240 3340,5050 3260,5050 3240,5030 3240,4950 3200,4910 3200,4740 3150,4740 3150,4920 3180,4950 3180,5030 3160,5050 3090,5050 3090,5240
DGND on Top Layer "DGND_L01_P025" (solid, pour order 25): 3370,3560 3370,3620 3400,3650 3460,3650 3470,3640 3470,3610 3580,3610 3590,3600 3590,3560
DGND on Top Layer "DGND_L01_P026" (solid, pour order 26): 3490,3462.32 3306.38,3462.32 3306.38,3433.62 3330,3410 3490,3410
+24V_SYS on Top Layer "+24V_SYS_L01_P023" (solid, pour order 23): 3500,2810 3500,2925 3500,2995 3410,2995 3400,2985 3400,2835 3425,2810
+24V_SYS on Top Layer "+24V_SYS_L01_P008" (solid, pour order 8): 3190,2810 3190,2910 3200,2920 3200,3000 3110,3000 3095.46,2985.46 3095.46,2814.54 3100,2810
+24V_SYS on Top Layer "+24V_SYS_L01_P022" (solid, pour order 22): 2880,2814.76 2880,2910 2915.48,2945.48 2915.48,2996.06 2790,2996.06 2780,2986.06 2780,2836.06 2801.3,2814.76
NetD1_1 on Top Layer "NETD1_1_L01_P021" (solid, pour order 21): 2460,2120 2360,2220 2360,2540 2370,2550 2490,2550 2490,2340 2530,2300 2810,2300 2840,2270 2840,2170 2790,2120
DGND on Top Layer "Top Layer-DGND" (solid, pour order 19): 2710,3500 2720,3490 2750,3490 2760,3480 2760,3453.02 2788.62,3453.02 2788.62,3243.31 2763.62,3218.31 2698.62,3218.31 2678.62,3238.31 2678.62,3388.31 2663.62,3403.31 2473.62,3403.31 2443.62,3433.31 2443.62,3488.31 2548.62,3488.31 2603.62,3433.31 2653.62,3433.31 2673.62,3453.31 2673.62,3487.34 2660.97,3500 2620,3500 2570,3550 2570,3920 2700,4050 3040,4050 3120,4050 3340,4050 3400,4050 3420,4030 3420,3870 3400,3850 3310,3850 3310,3970 3290,3990 3160,3990 3150,3980 3150,3870 3130,3850 2960,3850 2878.62,3768.62 2878.62,3578.31 2863.62,3563.31 2723.31,3563.31 2710,3550
3V3 on Top Layer "3V3_L01_P018" (solid, pour order 18): 3825,3405 3715,3405 3660,3350 3600,3350 3600,3420 3560,3460 3510,3460 3490,3480 3300,3480 3300,3560 3310,3570 3340,3570 3350,3560 3350,3530 3360,3520 3590,3520 3610,3540 3610,3620 3780,3620 3840,3560 3840,3420
12V_SYS on Top Layer "12V_SYS_L01_P004" (solid, remove dead copper, pour order 4): 3420,3670 3346.93,3670 3286.93,3610 3050,3610 3028.62,3631.38 3028.62,3673.31 3023.62,3678.31 3003.62,3678.31 2998.62,3673.31 2998.62,3543.31 3018.62,3523.31 3203.62,3523.31 3203.62,3418.31 2988.62,3418.31 2943.62,3463.31 2943.62,3748.31 2985.32,3790 3410,3790 3420,3780
DGND on Top Layer "DGND_L01_P016" (solid, remove dead copper, pour order 16): 7060,1760 7090,1760 7090,1500 7060,1470 7030,1470 6990,1510 6990,1600 7030,1640 7050,1640 7060,1650
NetD22_2 on Top Layer "NETD22_2_L01_P013" (solid, remove dead copper, pour order 13): 7660,2280 7700,2320 7860,2320 7870,2310 7870,2240 7670,2240 7660,2250
DGND on Top Layer "DGND_L01_P012" (solid, pour order 12): 7090,2840 7090,2900 7070,2920 7070,3130 7050,3150 7000,3150 6980,3130 6980,2970 7020,2930 7020,2840 7030,2830 7080,2830
VBAT_4G on Top Layer "VBAT_4G_L01_P011" (solid, pour order 11): 7210,3100 7300,3010 7300,2950 7290,2940 7200,2940 7170,2910 7170,2840 7160,2830 7110,2830 7100,2840 7100,3080 7120,3100
DGND on Top Layer "DGND_L01_P010" (solid, pour order 10): 2500,3090 2430,3160 2430,3400 2440,3410 2470,3410 2470,3480 2460,3490 2400,3490 2370,3460 2370,2590 2500,2590
+24V_SYS on Top Layer "+24V_SYS_L01_P009" (solid, pour order 9): 2760,3080 2740,3100 2640,3100 2560,3180 2560,3320 2590,3350 2660,3350 2660,3380 2550,3380 2540,3370 2470,3370 2450,3350 2450,3190 2590,3050 2590,2360 2760,2360
DGND on Top Layer "DGND_L01_P007" (solid, pour order 7): 7770,3040 7820,3040 7830,3050 7905.02,3050 7910,3045.02 7910,2850 7770,2850 7740,2880 7590,2880 7590,2920 7610,2940 7800,2940 7820,2960 7820,2980 7800,3000 7770,3000
+4V_SYS on Top Layer "+4V_SYS_L01_P005" (solid, pour order 5): 7336.52,3000 7346.52,3010 7510,3010 7570,2950 7570,2860 7610,2820 7900,2820 7950,2870 8220,2870 8240,2850 8240,2750 8230,2740 7550,2740 7336.52,2953.48
SW on Top Layer "SW_L01_P003" (solid, pour order 3): 2598.62,3333.31 2598.62,3293.31 2598.62,3168.31 2623.62,3143.31 3223.62,3143.31 3223.62,3248.31 2938.62,3248.31 2883.62,3193.31 2678.62,3193.31 2658.62,3213.31 2658.62,3303.31 2658.62,3333.31
DGND on Bottom Layer "DGND_L02_P020" (solid, remove dead copper, pour order 20): 3990,3550 3980,3540 3980,3460 3910,3390 3860,3390 3840,3410 3840,3810 3990,3960 3990,4120 3960,4150 3700,4150 3680,4170 3680,4240 3690,4250 3980,4250 4020,4290 4020,4730 4360,5070 4780,5070 4930,5220 4930,5270 4940,5280 5220,5280 5240,5300 5240,5760 4930,5760 2520,5760 2520,4610 2560,4570 3700,4570 3750,4520 3750,4430 3720,4400 2550,4400 2520,4370 2520,2770 2670,2620 2670,2600 2950,2320 2950,2200 3200,1950 3200,807.09 8259.91,807.09 8251.65,3410.01 8221.66,3440 6370,3440 6340,3470 5460,3470 5390,3400 5000,3400 4850,3550
+24V_SYS on Bottom Layer "+24V_SYS" (solid, pour order 6): 3480,1070 3500,1050 3860,1050 3880,1070 3880,1260 3945.88,1325.88 4020.92,1325.88 4077.91,1268.89 4077.91,1084.29 4112.2,1050 4980,1050 5120,910 6680,910 6860.55,1090.55 7162.07,1090.55 7180,1072.61 7180,810 3230,810 3200,840 3200,1690 2820,2070 2820,2400 2600,2620 2600,2690 2600,2960 2670,3030 3390,3030 3410,3050 3410,3130 3530,3250 3630,3250 3630,3180 3560,3180 3460,3080 3460,3030 3520,2970 3520,2800 2720,2800 2700,2780 2700,2646.8 2890,2456.8 2890,2100 3300,1690 3300,1350 3330,1320 3440,1320 3480,1280
VBAT_4G on Bottom Layer "VBAT_4G_L02_P015" (solid, pour order 15): 7310,1510 7310,3000 7260,3050 7190,3050 7160,3020 7160,1520 7190,1490 7290,1490
DGND on Bottom Layer "Bottom Layer-DGND" (solid, pour order 36): 3700,4170 3710,4160 4030,4160 4040,4150 4040,4110 4060,4090 4090.04,4059.96 4089.84,3670.16 4190,3570 4860,3570 4990,3440 5390,3440 5450,3500 6370,3500 6400,3470 6510,3470 6510,3550 6460,3600 4980,3600 4890,3690 4170,3690 4130,3730 4130,4090 4130,4140 4040,4230 3700,4230
DGND on Bottom Layer "DGND_L02_P028" (solid, pour order 28): 2470,2740 2470,4380 2520,4430 3700,4430 3734.97,4464.97 3734.97,4495.03 3710,4520 2430,4520 2360,4450 2360,810 3020,810 3020,1520 2580,1960 2590,1970 2590,2620
5V0 on Bottom Layer "5V0_L02_P014" (solid, pour order 14): 3680,5430 3740,5430 3770,5400 3970,5400 4200,5630 4980,5630 5024.73,5585.27 5024.73,5555.73 4984.27,5555.73 4960,5580 4270,5580 4000,5310 3680,5310
+24V_SYS on Bottom Layer "+24V_SYS_L02_P031" (solid, pour order 31): 3950,3730 3950,3450 3900,3400 3870,3400 3860,3410 3860,3770 4010,3920 4010,4040 4074,4040 4074,3854
no net on Bottom Layer "NONET_L02_P024" (solid, pour order 24): 7290,1510
no net on Bottom Overlay "NONET_L-01_P-001" (solid): 4500,4700 4500,4550 7950,4550 7950,4950 7850,5050 6700,5050 6700,5450 6400,5450 6100,5150 4950,5150
no net on Top Overlay "NONET_L-01_P-001" (solid): 3950,3500 4800,3500 4797.8,3497.8 4797.8,3366.84 3950,3366.84
no net on Top Overlay "NONET_L-01_P-001" (solid): 4600,4550 4600,4600 4950,4950 5900,4950 6200,5250 6700,5250 6700,5050 6950,5050 6950,4950 7550,4950 7550,5050 7850,5050 7950,4950 7950,4700 8100,4550 8100,4450 7900,4450 7800,4550

## Keep-outs
Keep-Out Layer:
  lines w7.87: 2362.2,4960.63 2362.2,4960.63 ; 2362.2,4960.63 2362.2,5767.72 8267.72,5767.72 8267.72,4960.63 ; 2362.2,4960.63 2362.2,1614.17 2362.2,807.09 8267.72,807.09 8267.72,1614.17 8267.72,4960.63 ; 8267.72,4960.63 8267.72,4960.63

## Other copper
Top Layer:
  pour cut-out: 7781.46,2646.76 7855.48,2646.76 7862.8,2639.44 7862.8,2587.39 7781.46,2587.39
  pour cut-out: 7788.66,1897.32 7862.68,1897.32 7870,1890 7870,1837.95 7788.66,1837.95
  pour cut-out: 7582.9,2644.08 7616.19,2644.08 7616.19,2591.46 7582.9,2591.46
  pour cut-out: 7580.64,1895.3 7613.93,1895.3 7613.93,1842.85 7580.64,1842.85
  region: 6991.65,1517.25
Bottom Layer:
  pour cut-out: 2580,2970
  pour cut-out: 4080,1810 4010,1810 3990,1790 3990,1770 4180,1580 4230,1580 4240,1590 4240,1650
  pour cut-out: 3868.77,1930 3400,1930 3380,1910 3380,1880 3398.24,1861.76 4011.76,1861.76 4150,2000 4150,2090 4192.16,2132.16 4231.46,2132.16 4240.72,2141.42 4240.72,2209.28 4240,2210 4180,2210 4090,2120 4090,2050 3970,1930

## Silkscreen, mask and mechanical layers (free items; w line width, h text height)
Top Overlay:
  drawing of 1712 lines, arcs and shapes, not listed
  text "INPUT" at 3060,5391.09 h100
  text "KEY" at 3980,5300 h100
  text "LCD" at 5300,5261.09 h100
  text "OUT RELAY" at 7000,4981.09 h100
  text "R 3V3 G IO CLK" at 3618.51,3179.25 h50
  text "SD" at 5350,1591.2 h100
  text "SIM" at 6150,1501.2 h100
  text "G  24V" at 2590,1421.09 h100
  text "OUT_MOTOR" at 3260,1317.68 h100
  text "SWAP MOTOR" at 3850,1311.2 h100
  text "PWR" at 2930,1310 h100
  text "VADI" at 4590,1310 h100
  text "DOOR" at 7500,1231.09 h100
  text "LED" at 6990,1220 h100
  text "HUM" at 6750,1191.09 h100
Bottom Overlay:
  drawing of 1712 lines, arcs and shapes, not listed

## Text inside footprints (layer, text, board x,y; h text height)
J5: Top Courtyard "PCB EDGE" at 6179.58,729.44 h39.37
Q2: Mechanical 1 "*" at 6633.75,1475.65 h70
Q3: Mechanical 1 "*" at 6631.76,1607.65 h70
Q4: Mechanical 1 "*" at 6631.76,1322.65 h70
Q6: Mechanical 1 "*" at 3607.73,3093.71 h70 r270
Q7: Mechanical 1 "*" at 4838.92,1857.65 h70 r90
Q9: Mechanical 1 "*" at 3344,3059 h70 r270
Q10: Mechanical 1 "*" at 5091,1940.99 h70 r270
Q12: Mechanical 1 "*" at 3121,3050.99 h70 r270
Q13: Mechanical 1 "*" at 5050.99,3444 h70 r180
Q14: Mechanical 1 "*" at 5299,3461.02 h70 r90
Q15: Mechanical 1 "*" at 6296.02,3631 h70
Q16: Mechanical 1 "*" at 5134,3464.01 h70 r90
Q17: Mechanical 1 "*" at 6066.02,3631 h70
Q18: Mechanical 1 "*" at 6479.01,3561 h70
Q19: Mechanical 1 "*" at 6063.76,2777.81 h70
Q20: Mechanical 1 "*" at 6063.93,2910.37 h70
Q21: Mechanical 1 "*" at 7614.4,2323.8 h70
Q22: Mechanical 1 "*" at 6250.38,3174.74 h70 r180
Q23: Mechanical 1 "*" at 6199.01,3431 h70
Q24: Mechanical 1 "*" at 5461,2468 h70